# Altium PCB PCB.PcbDoc
Units mm, origin at the board's own origin, x right, y up, seen from the top; angles counter-clockwise.
Board outline 160 x 130 mm, 2 copper layers (Top Layer, Bottom Layer); 86 components, 57 nets, 311 pads, 15 vias.
Unrouted connection lines stored in the file: 53.
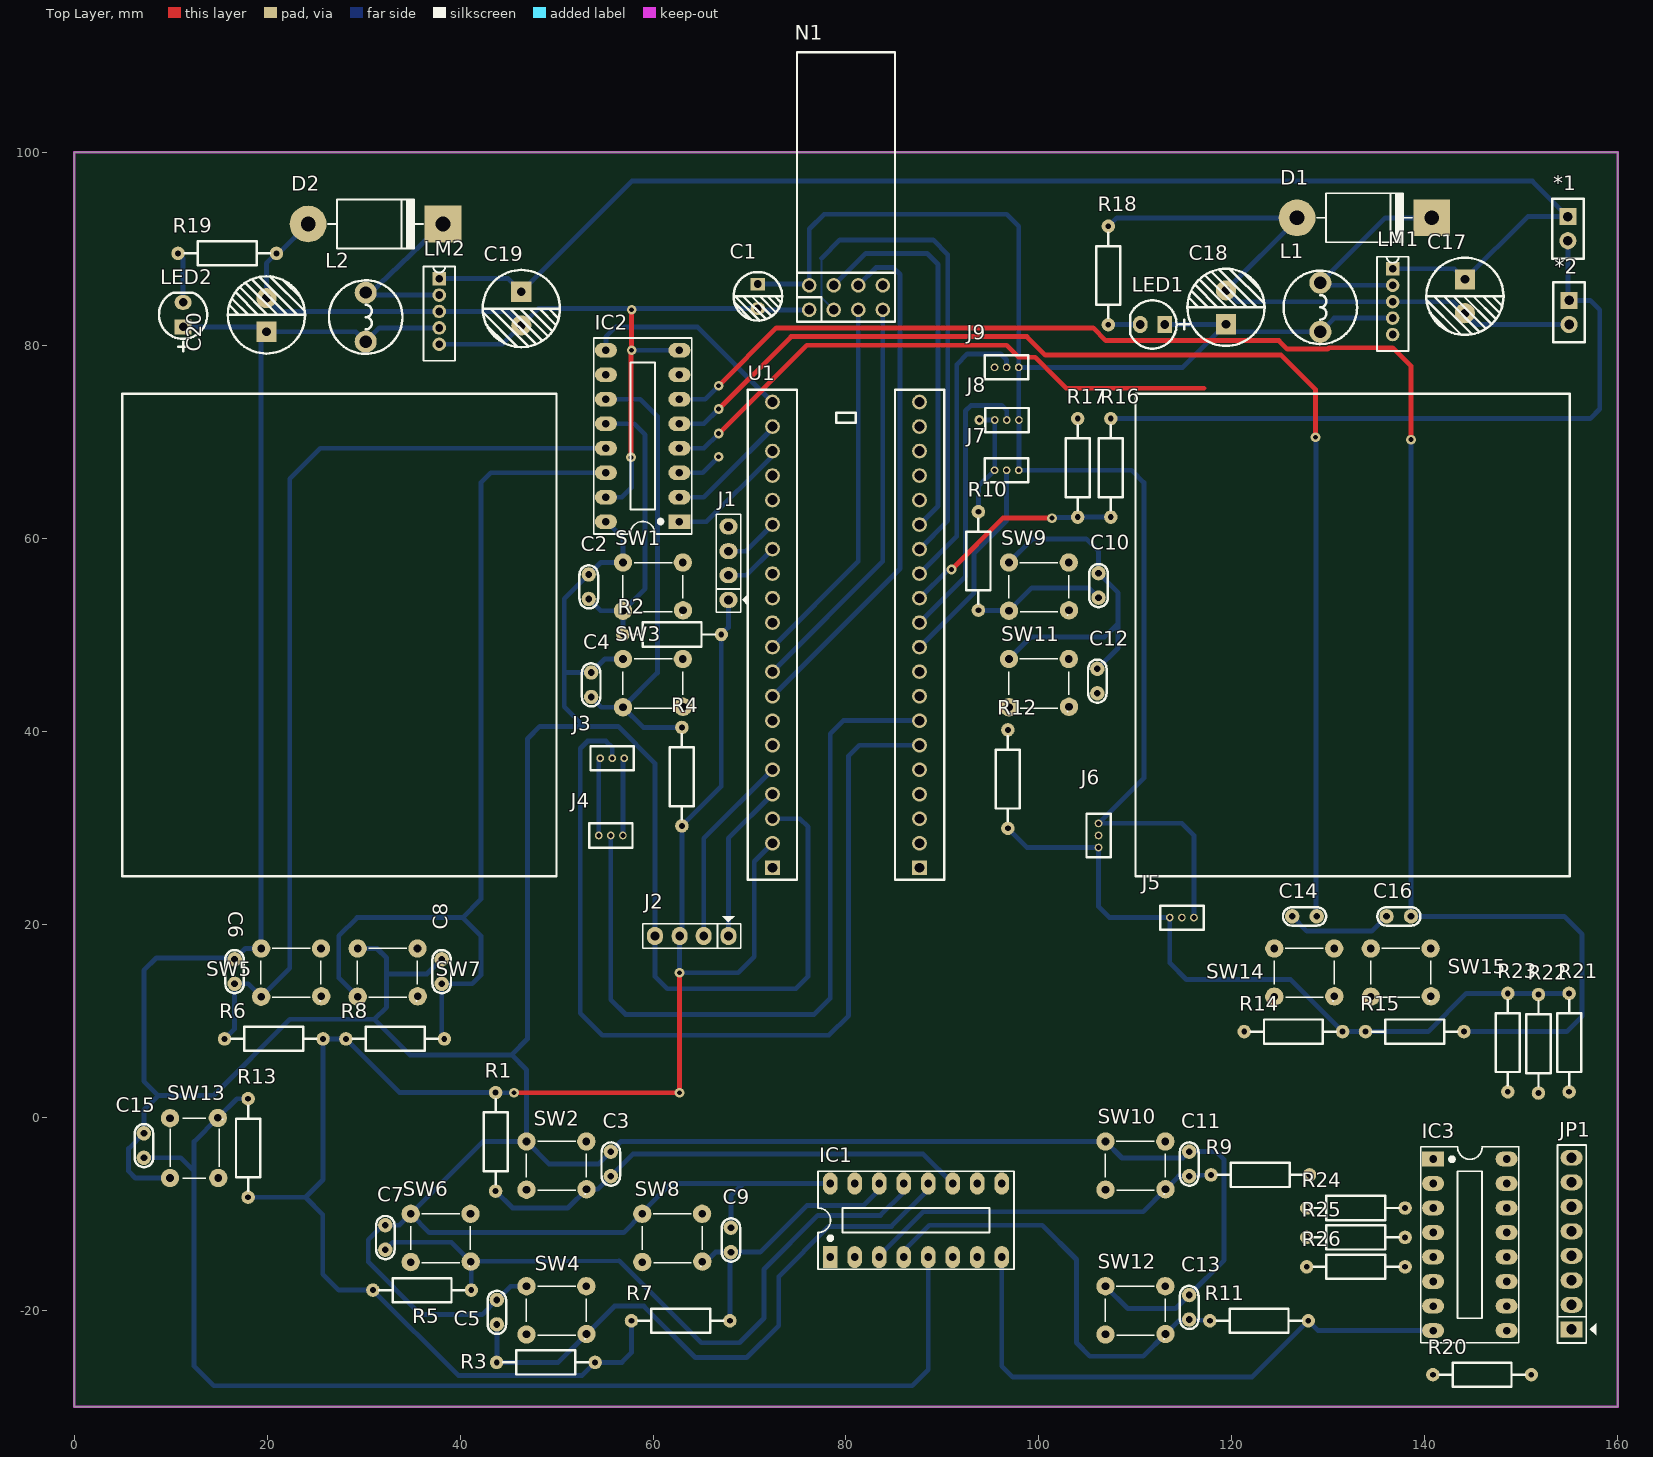
[diagram p0: Top Layer view]
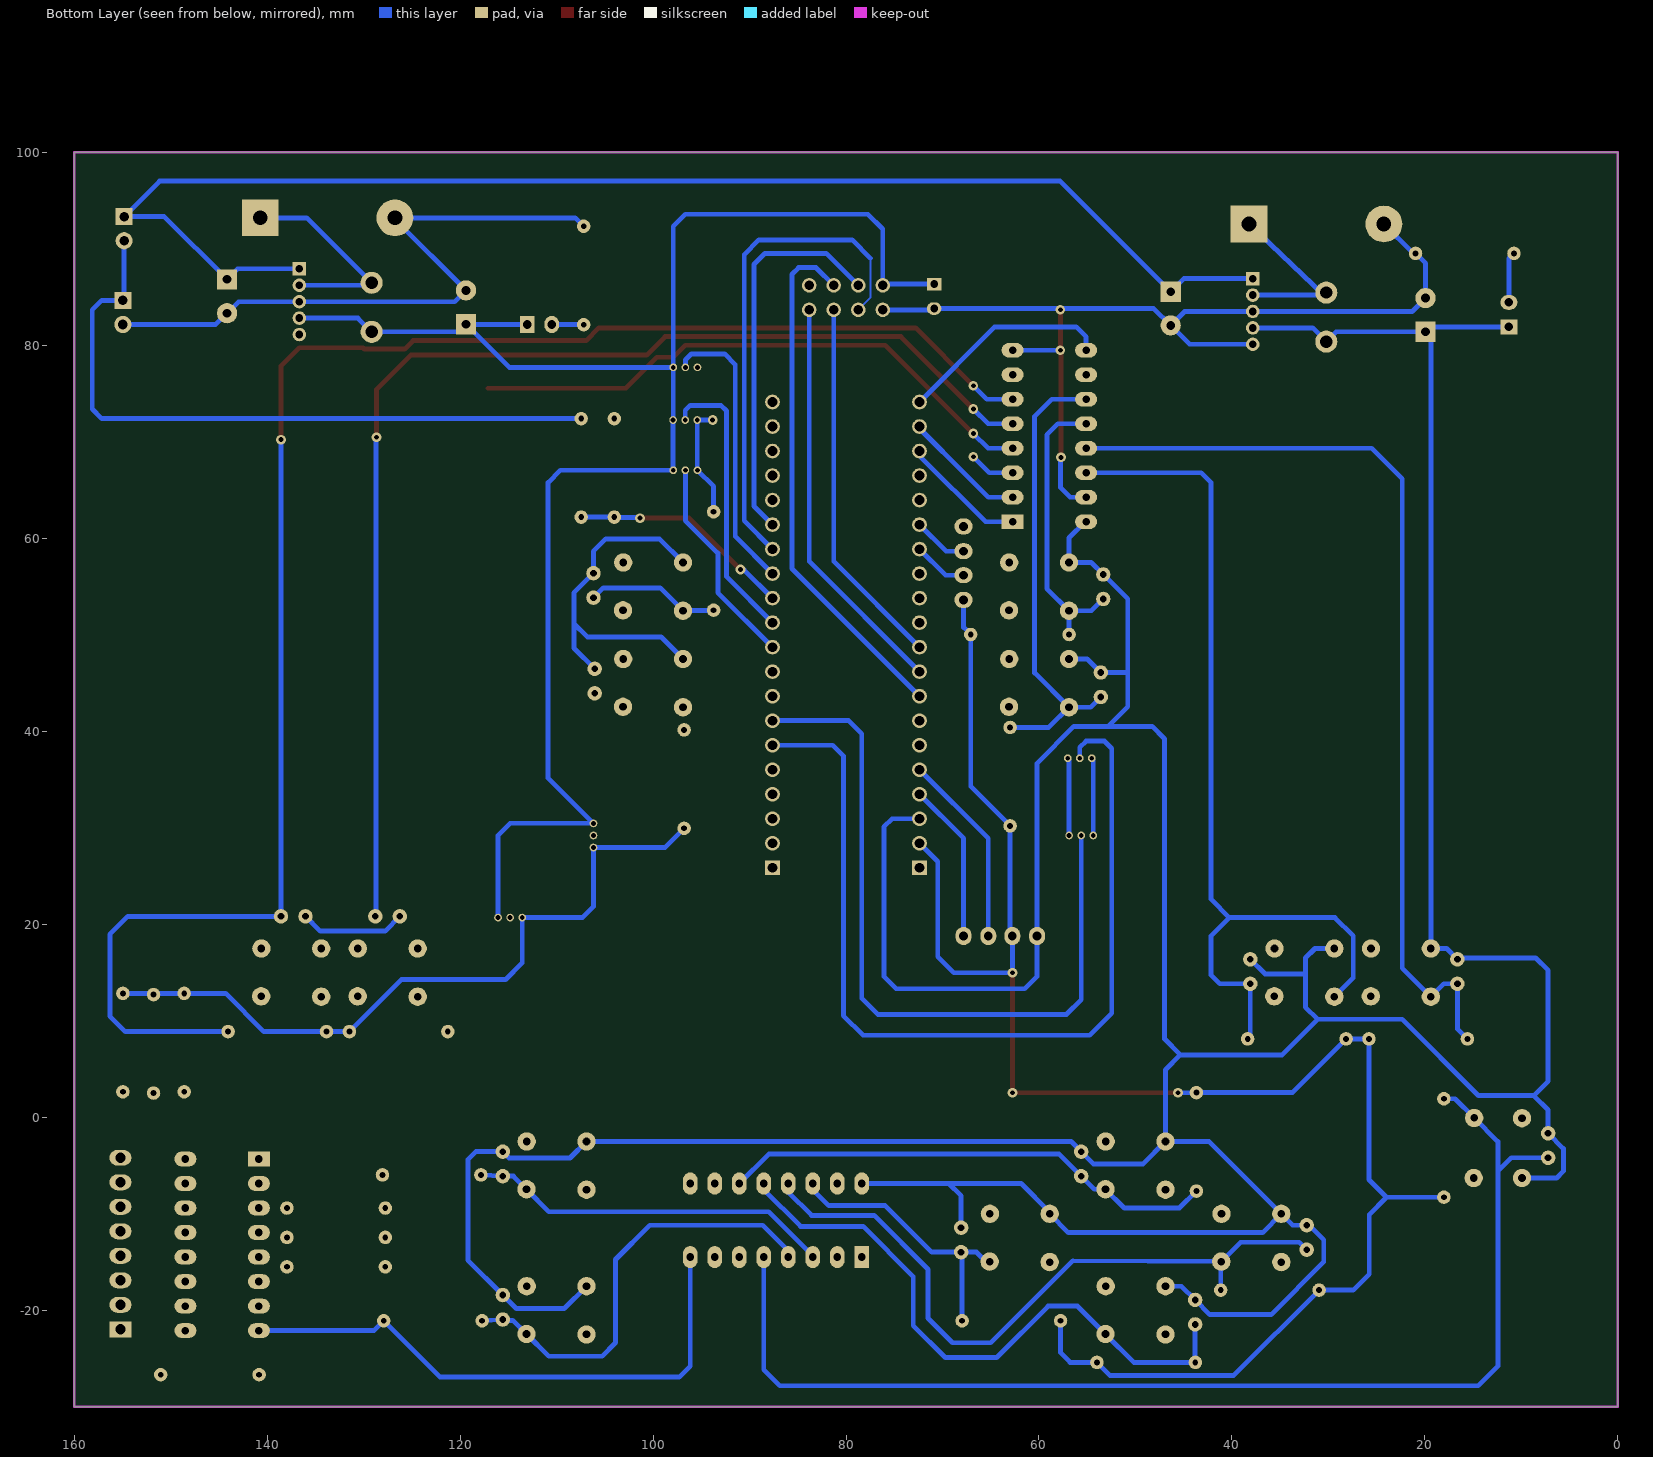
[diagram p1: Bottom Layer view, seen from below]

## Layer stack, top to bottom
Top Solder: solder mask 0.0102, Solder Resist, Dk 3.5
Top Layer: signal copper 0.0356
Dielectric 1: dielectric 0.32, FR-4, Dk 4.8
Bottom Layer: signal copper 0.0356
Bottom Solder: solder mask 0.0102, Solder Resist, Dk 3.5

## Board outline
0,-30 160,-30 160,100 0,100

## Design rules (kind name [scope] priority, off if disabled: settings)
Clearance [All] p1: gap=0.4 ignorepadtopadclearanceinfootprint=FALSE
PlaneConnect [All] p1: planeconnectstyle=Direct reliefexpansion=0.508 reliefentries=4 reliefconductorwidth=0.254 reliefairgap=0.254
PolygonConnect [All] p1: connectstyle=Direct reliefconductorwidth=0.254 reliefentries=4 polygonreliefangle="90 Angle" airgapwidth=0.254
RoutingVias [All] p1: holewidth=0.5 width=1 viastyle="Through Hole" minholewidth=0 minwidth=0.5 maxholewidth=0.5 maxwidth=1
SolderMaskExpansion [All] p1: expansion=0.102 istentingtop=FALSE
Width [All] p1: maxlimit=1 minlimit=0.2 preferedwidth=0.5
29 further rules are at their usual default settings.

## Components (designator, comment, footprint, x,y, rotation, side; value= is the part's Value field where it differs from the comment)
*1 "SW_POWER" "jump don duc_2p" 154.737,91.97 r270 top
*2 "7.4V" "jump don duc_2p" 154.864,83.294 r270 top
C1 "100uF" "tu hoa 5mm" 70.866,85.09 r270 top
C2 "104" "tu gom" 53.34,54.991 r90 top
C3 "104" "tu gom" 55.626,-4.826 r90 top
C4 "104" "tu gom" 53.594,44.831 r90 top
C5 "104" "tu gom" 43.815,-20.193 r90 top
C6 "104" "tu gom" 16.637,15.113 r90 top
C7 "104" "tu gom" 32.258,-12.446 r90 top
C8 "104" "tu gom" 38.1,15.113 r90 top
C9 "104" "tu gom" 68.072,-12.7 r90 top
C10 "104" "tu gom" 106.172,55.118 r90 top
C11 "104" "tu gom" 115.57,-4.826 r90 top
C12 "104" "tu gom" 106.045,45.212 r90 top
C13 "104" "tu gom" 115.57,-19.685 r90 top
C14 "104" "tu gom" 127.508,20.828 r180 top
C15 "104" "tu gom" 7.239,-2.921 r90 top
C16 "104" "tu gom" 137.287,20.828 r180 top
C17 "100uF" "tu hoa 8mm" 144.145,85.09 r270 top
C18 "1000uF" "tu hoa 8mm" 119.38,83.947 r90 top
C19 "100uF" "tu hoa 8mm" 46.355,83.82 r270 top
C20 "1000uF" "tu hoa 8mm" 19.939,83.157 r90 top
D1 "1N5822" D5A 140.716,93.218 r180 top value=1N5408
D2 "1N5822" D5A 38.227,92.583 r180 top value=1N5408
IC1 "74HC165" DIP16/W0.3 78.359,-14.478 r0 top
IC2 "74HC165" DIP16/W0.3 62.738,61.722 r90 top
IC3 "74HC165" DIP16/W0.3 140.843,-4.318 r270 top
J1 "2.54_4P" JP4 67.818,56.159 r90 top value="Jump Đơn Đực 2.54MM 1x40P Thẳng 11MM"
J2 "2.54_4P" JP4 65.278,18.796 r180 top value="Jump Đơn Đực 2.54MM 1x40P Thẳng 11MM"
J3 "1.25_4P" "ZH1.25 3P" 54.523,37.211 r90 top value="Jump Đơn Đực 2.54MM 1x40P Thẳng 11MM"
J4 "1.25_4P" "ZH1.25 3P" 54.376,29.21 r90 top value="Jump Đơn Đực 2.54MM 1x40P Thẳng 11MM"
J5 "1.25_4P" "ZH1.25 3P" 113.558,20.701 r90 top value="Jump Đơn Đực 2.54MM 1x40P Thẳng 11MM"
J6 "1.25_4P" "ZH1.25 3P" 106.172,27.96 r180 top value="Jump Đơn Đực 2.54MM 1x40P Thẳng 11MM"
J7 "1.25_4P" "ZH1.25 3P" 95.397,67.056 r90 top value="Jump Đơn Đực 2.54MM 1x40P Thẳng 11MM"
J8 "1.25_4P" "ZH1.25 3P" 95.417,72.263 r90 top value="Jump Đơn Đực 2.54MM 1x40P Thẳng 11MM"
J9 "1.25_4P" "ZH1.25 3P" 95.397,77.724 r90 top value="Jump Đơn Đực 2.54MM 1x40P Thẳng 11MM"
JP1 "2.54_8P" JP8 155.194,-21.971 r90 top value="Jump Đơn Đực 2.54MM 1x40P Thẳng 11MM"
L1 "220uH" "CUON CAM 100uH3A" 129.159,83.947 r270 top
L2 "220uH" "CUON CAM 100uH3A" 30.226,82.931 r270 top
LED1 "LED 3mm Do" "LED 3mm Do" 111.76,82.169 r180 top
LED2 "LED 3mm Do" "LED 3mm Do" 11.303,83.185 r90 top
LM1 "3.3V" LM2576-5V 136.652,87.935 r0 top
LM2 "5V" LM2576-5V 37.846,86.919 r0 top
N1 "NRF24L01" NRF24L01 80,85 r90 top
R1 "10k" "tro vach 1/4w" 43.688,-2.54 r90 top
R2 "10k" "tro vach 1/4w" 61.976,50.038 r0 top
R3 "10k" "tro vach 1/4w" 48.895,-25.4 r0 top
R4 "10k" "tro vach 1/4w" 62.992,35.306 r90 top
R5 "10k" "tro vach 1/4w" 36.068,-17.907 r180 top
R6 "10k" "tro vach 1/4w" 20.701,8.128 r180 top
R7 "10k" "tro vach 1/4w" 62.865,-21.082 r180 top
R8 "10k" "tro vach 1/4w" 33.274,8.128 r0 top
R9 "10k" "tro vach 1/4w" 122.936,-5.969 r0 top
R10 "10k" "tro vach 1/4w" 93.726,57.658 r270 top
R11 "10k" "tro vach 1/4w" 122.809,-21.082 r0 top
R12 "10k" "tro vach 1/4w" 96.774,35.052 r90 top
R13 "10k" "tro vach 1/4w" 18.034,-3.175 r270 top
R14 "10k" "tro vach 1/4w" 126.365,8.89 r180 top
R15 "10k" "tro vach 1/4w" 138.938,8.89 r0 top
R16 "51k" "tro vach 1/4w" 107.442,67.31 r90 top
R17 "33k" "tro vach 1/4w" 104.013,67.31 r270 top
R18 "33k" "tro vach 1/4w" 107.188,87.249 r90 top
R19 "33k" "tro vach 1/4w" 15.875,89.535 r0 top
R20 "10k" "tro vach 1/4w" 145.923,-26.67 r0 top
R21 "10k" "tro vach 1/4w" 154.94,7.747 r270 top
R22 "10k" "tro vach 1/4w" 151.765,7.62 r270 top
R23 "10k" "tro vach 1/4w" 148.59,7.747 r270 top
R24 "10k" "tro vach 1/4w" 132.842,-9.398 r0 top
R25 "10k" "tro vach 1/4w" 132.842,-12.446 r0 top
R26 "10k" "tro vach 1/4w" 132.842,-15.494 r0 top
SW1 "Nut Nhan 4 Chan" SW4 60,55 r0 top value="Nút Nhấn 4 Chân 6x6x9MM DIP"
SW2 "Nut Nhan 4 Chan" SW4 50,-5 r0 top value="Nút Nhấn 4 Chân 6x6x9MM DIP"
SW3 "Nut Nhan 4 Chan" SW4 60,45 r0 top value="Nút Nhấn 4 Chân 6x6x9MM DIP"
SW4 "Nut Nhan 4 Chan" SW4 50,-20 r0 top value="Nút Nhấn 4 Chân 6x6x9MM DIP"
SW5 "Nut Nhan 4 Chan" SW4 22.5,15 r0 top value="Nút Nhấn 4 Chân 6x6x9MM DIP"
SW6 "Nut Nhan 4 Chan" SW4 38,-12.5 r0 top value="Nút Nhấn 4 Chân 6x6x9MM DIP"
SW7 "Nut Nhan 4 Chan" SW4 32.5,15 r0 top value="Nút Nhấn 4 Chân 6x6x9MM DIP"
SW8 "Nut Nhan 4 Chan" SW4 62,-12.5 r0 top value="Nút Nhấn 4 Chân 6x6x9MM DIP"
SW9 "Nut Nhan 4 Chan" SW4 100,55 r0 top value="Nút Nhấn 4 Chân 6x6x9MM DIP"
SW10 "Nut Nhan 4 Chan" SW4 110,-5 r0 top value="Nút Nhấn 4 Chân 6x6x9MM DIP"
SW11 "Nut Nhan 4 Chan" SW4 100,45 r0 top value="Nút Nhấn 4 Chân 6x6x9MM DIP"
SW12 "Nut Nhan 4 Chan" SW4 110,-20 r0 top value="Nút Nhấn 4 Chân 6x6x9MM DIP"
SW13 "Nut Nhan 4 Chan" SW4 12.446,-3.175 r90 top value="Nút Nhấn 4 Chân 6x6x9MM DIP"
SW14 "Nut Nhan 4 Chan" SW4 127.5,15 r0 top value="Nút Nhấn 4 Chân 6x6x9MM DIP"
SW15 "Nut Nhan 4 Chan" SW4 137.5,15 r0 top value="Nút Nhấn 4 Chân 6x6x9MM DIP"
U1 "STM32F401CCU6" STM32F401CCU6 80,50 r0 top locked

## Footprints (in the part's own frame and the unit in brackets; to place one, negate y for a bottom-side part, rotate by r counter-clockwise, add the part's x,y. Pads: shape width x height; smd on the part's side, far side on the other; paste and mask are expansions set on the pad)
"CUON CAM 100uH3A" [mil] "100uH3A"
  round 90 hole 50: 1(-100,0) 2(100,0)
  silkscreen extent -150,-150 150,150, body extent -171,-175 171,167, height 394
D5A [mil] "Diode 5A, W 200mil, L 550mil"
  round 150 hole 60: 1(550,0)
  rect 150x150 hole 60: 2(0,0)
  silkscreen extent 80,-100 470,100, body extent -52,-106 590,103, height 254
DIP16/W0.3 [mil] "16 PIN, W 300mil, Pin to pin 100mil"
  rect 60x90 hole 31: 1(0,0)
  oval 60x90 hole 31: 2(100,0) 3(200,0) 4(300,0) 5(400,0) 6(500,0) 7(600,0) 8(700,0) 9(700,300) 10(600,300) 11(500,300) 12(400,300) 13(300,300) 14(200,300) 15(100,300) 16(0,300)
  silkscreen extent -50,-50 750,350, body extent -52,-57 752,356, height 299
JP4 [mil] "Jumper 4"
  oval 65x75 hole 36: 1(-100,0) 2(1,0) 3(99,0) 4(200,0)
  silkscreen extent -150,-81 250,50, body extent -148,-48 248,50, height 323
JP8 [mil] "JP8"
  rect 65x90 hole 42: 1(0,0)
  oval 65x90 hole 42: 2(100,0) 3(200,0) 4(300,0) 5(400,0) 6(500,0) 7(600,0) 8(700,0)
  silkscreen extent -56,-100 752,57, body extent -48,-50 748,48, height 323
"jump don duc_2p" [mil]
  rect 70x70 hole 39.37 unplated: 1(-54.15,3)
  round 70 hole 39.37 unplated: 2(44.28,3)
  silkscreen extent -128,-61 117,67
"LED 3mm Do" [mil] "Footprintf LED phi 3"
  rect 60x70 hole 35: 1(-50,0)
  oval 60x70 hole 35: 2(50,0)
  silkscreen extent -150,-98 90,98, body extent -77,-78 60,78, height 205
LM2576-5V [mm]
  rect 1.4x1.4 hole 0.8 unplated: 1(0,0)
  round 1.4 hole 0.8: 2(0,-1.702) 3(0,-3.404) 4(0,-5.106) 5(0,-6.808)
  silkscreen extent -1.63,-8.51 1.64,1.25, body extent -1.86,-8.31 2.46,1.6, height 20.47
NRF24L01 [mm]
  round 1.5 hole 1: 1(-1.32,3.81) 2(1.22,3.81) 3(-1.32,1.27) 4(1.22,1.27) 5(-1.32,-1.27) 6(1.22,-1.27) 7(-1.32,-3.81) 8(1.22,-3.81)
  silkscreen extent -2.54,-5.08 25.4,5.08, body extent -3.07,-9.62 25.93,5.58, height 9.75
STM32F401CCU6 [mil]
  rect 60x60 hole 39.37: 1(300,-950) 47(-300,-950)
  round 60 hole 39.37: 2(300,-850) 3(300,-750) 4(300,-650) 7(300,650) 8(-300,-750) 9(-300,-850) 10(300,-450) 11(300,-350) 12(300,-250) 13(300,-150) 14(300,-50) 15(300,50) 16(300,150) 17(300,250) 18(300,-550) 19(300,350) 21(300,450) 22(300,550) 25(-300,950) 26(-300,850) 27(-300,750) 28(-300,650) 29(-300,550) 30(-300,450) 31(-300,350) 32(-300,250) 33(-300,150) 35(300,850) 36(300,950) 38(-300,50) 39(-300,-50) 40(-300,-150) 41(-300,-250) 42(-300,-350) 43(-300,-450) 45(-300,-550) 46(-300,-650) 48(300,750)
  silkscreen extent -400,-1000 400,1000, body extent -411,-1275 411,1008, height 390
SW4 [mil] "SW button 4pin, 250 x250 mil"
  round 75 hole 31: 1(-122.5,98.43) 2(122.5,-96.57) 3(121.59,98.43) 4(-122.5,-98.42)
  silkscreen extent -123,-117 121,98, body extent -158,-122 153,123, height 276
"tro vach 1/4w" [mm]
  round 1.4 hole 0.6: 1(-5.1,0) 2(5.1,0)
  silkscreen extent -4.39,-1.25 4.42,1.25, body extent -5.38,-1.2 5.38,1.2, height 2.41
"tu gom" [mm] "Tu gom mini"
  round 1.5 hole 0.7: 1(-1.27,0) 2(1.27,0)
  silkscreen extent -2.25,-0.97 2.22,0.97, body extent -2.92,-0.85 2.92,0.85, height 6.12
"tu hoa 5mm" [mm]
  rect 1.3x1.5 hole 0.8: 1(-1.27,0)
  oval 1.3x1.5 hole 0.8: 2(1.27,0)
  silkscreen extent -2.51,-2.51 2.51,2.51, body extent -3.12,-3.18 3.23,3.18, height 14.55
"tu hoa 8mm" [mm]
  rect 2.1x2.1 hole 0.9: 1(-1.75,0)
  round 2.1 hole 0.9: 2(1.75,0)
  silkscreen extent -4,-4 4,4, body extent -4.1,-4.07 4.1,4.13, height 13.81
"ZH1.25 3P" [mm]
  round 0.8 hole 0.5 unplated: 1(0,0)
  round 0.8 hole 0.5: 2(0,-1.25) 3(0,-2.5)
  silkscreen extent -1.25,-3.5 1.25,1, body extent -2.1,-5.75 2.1,3.15, height 4.7

## Part data
*1 *2: library part "jump don duc 2.54_2p"
C1: library part "Tu Hoa 100uF 25V 6x11", "Cắm", Chung_Loai=Cắm, Don_Vi=Con, Ma_Hang=MH001351, So_Chan=2, Ten_Linh_Kien="Tụ Hóa 100uF 25V 6x11MM"
C2 C3 C4 C5 C6 C7 C8 C9 C10 C11 C12 C13 C14 C15 C16: library part "Tu gom 104 50V", "Cắm", Chung_Loai=Cắm, Don_Vi=Con, Ma_Hang=MH004761, So_Chan=2, Ten_Linh_Kien="Tụ gốm 104 100nF 50V"
C17 C19: library part "Tu Hoa 100uF 50V 8x11", "Cắm", Chung_Loai=Cắm, Don_Vi=Con, Ma_Hang=MH006872, So_Chan=2, Ten_Linh_Kien="Tụ Hóa 100uF 50V 8x11MM"
C18 C20: library part "Tu Hoa 1000uF 16V 8x20", "Cắm", Chung_Loai=Cắm, Don_Vi=Con, Ma_Hang=MH008300, So_Chan=2, Ten_Linh_Kien="Tụ Hóa 1000uF 16V 8x20MM"
D1 D2: library part D5A, "Diode 5A"
IC1 IC2 IC3: "8-Bit Parallel In/Serial Out Shift Register"
J1 J2: library part "Jum Don Duc 2.54_4P", "Cắm", Chung_Loai=Cắm, Don_Vi=Con, Ma_Hang=MH000903
J3 J4 J5 J6 J7 J8 J9: library part "ZH1.25 3P", "Cắm", Chung_Loai=Cắm, Don_Vi=Con, Ma_Hang=MH000903
JP1: library part "Jum Don Duc 2.54_8P", "Cắm", Chung_Loai=Cắm, Don_Vi=Con, Ma_Hang=MH000903
L1 L2: library part "CUON CAM 470uH DIP", "Cắm", Chung_Loai=Cắm, Don_Vi=Con, Ma_Hang=MH002232, Ten_Linh_Kien="Cuộn Cảm 470uH 3A 8x10MM"
LED1 LED2 SW1 SW2 SW3 SW4 SW5 SW6 SW7 SW8 SW9 SW10 SW11 SW12 SW13 SW14 SW15: "Cắm", Don_Vi=Con
  LED1 LED2: Chung_Loai=Cắm, Ma_Hang=MH004931, Ten_Linh_Kien="LED 3MM Sáng Đỏ ( SS)"
  SW1 SW2 SW3 SW4 SW5 SW6 SW7 SW8 SW9 SW10 SW11 SW12 SW13 SW14 SW15: Ma_Hang=MH004077
LM1: library part LM2576_3.3V., "Cắm", Chung_Loai=Dán, Don_Vi=Con, Ma_Hang=MH001260, Ten_Linh_Kien="LM2576S-3.3V BUCK 3.3V 3A TO263-5"
LM2: library part LM2576_5V, "Cắm", Chung_Loai=Dán, Don_Vi=Con, Ma_Hang=MH001260, Ten_Linh_Kien="LM2576S-3.3V BUCK 3.3V 3A TO263-5"
R1 R2 R3 R4 R5 R6 R7 R8 R9 R10 R11 R12 R13 R14 R15 R16 R17 R18 R19 R20 R21 R22 R23 R24 R25 R26: library part "Tro Vach 1/4W 5% 10k", "Căm", Chung_Loai=Cắm, Don_Vi=Con, Ma_Hang=MH007354, So_Chan=2, Ten_Linh_Kien="Trở Vạch 1/4w 5% 10K"

## Via types
v1: diameter 1, hole 0.5, Top Layer to Bottom Layer, 15 vias

## Nets (pads, with @x,y where several pads share a name; then routed paths per layer and width w, separated by ;. In a path a pad name is that pad's centre, name@x,y a point inside that pad or via, vN(x,y) a via of type N, cw(c..) or ccw(c..) an arc to the next point about the centre after c; other vN are vias at no path point)
1: IC3.11 JP1.1 R20.2
2: IC3.12 JP1.2 R21.2
3: IC3.13 JP1.3 R22.2
3.3V: C1.1 C18.1 J3.3 J4.3 J5.3 J6.3 J7.3 J8.3 J9.3 JP1.8 L1.2 LED1.1 LM1.4 N1.2 | length 185
  Bottom Layer w0.5: J4.3 56.896,29.23 56.896,37.003 57.023,37.13 J3.3 ; C1.1 76.05,86.36 N1.2 76.19,92.065 77.724,93.599 96.647,93.599 97.897,92.349 J9.3 ; J6.3 J6.3@106.192,30.48 ; LED1.1 C18.1@119.352,82.169 ; J5.3 116.058,29.23 114.808,30.48 J6.3@106.192,30.48 ; LM1.4 130.581,82.829 L1.2 120.17,81.407 C18.1 C18.1@119.352,82.169 ; J9.3 97.897,72.283 J8.3 97.917,67.076 J7.3 109.601,67.056 110.871,65.786 110.871,35.159 J6.3@106.192,30.48 ; J9.3 114.907,77.724 C18.1@119.352,82.169
4: IC3.14 JP1.4 R23.2
5: IC3.3 JP1.5 R24.2
5V: C2.2 C3.2 C4.2 C5.2 C6.2 C7.2 C8.2 C9.2 C10.2 C11.2 C12.2 C13.2 C14.2 C15.2 C16.2 C20.1 IC1.16 IC2.16 IC3.16 J1.4 J2.4 L2.2 LED2.1 LM2.4 SW1.1 SW2.1 SW3.1 SW4.1 SW5.1 SW6.1 SW7.1 SW8.1 SW9.1 SW10.1 SW11.1 SW12.1 SW13.1 SW14.1 SW15.1 U1.8 | length 585.1
  Bottom Layer w0.5: SW13.1 6.35,-6.286 5.652,-5.588 5.652,-3.238 C15.2 7.239,0.762 8.735,2.258 ; LED2.1 19.431,81.915 C20.1 ; SW7.1 31.395,17.5 32.385,16.51 32.385,14.859 ; LM2.4 31.648,81.813 L2.2 29.21,81.407 C20.1 ; C8.2 36.576,14.859 32.385,14.859 ; SW4.1 45.238,-17.5 C5.2 42.291,-20.447 35.941,-20.447 30.48,-14.986 30.48,-12.7 32.004,-11.176 C7.2 33.712,-11.176 SW6.1 ; IC2.16 55.222,61.722 56.888,60.055 SW1.1 54.579,57.5 C2.2 50.8,53.721 50.8,45.974 ; SW3.1 54.993,47.5 C4.2 50.927,46.101 50.8,45.974 ; C9.2 68.072,-8.128 69.342,-6.858 ; U1.8 75.222,30.95 76.073,30.099 76.073,14.605 74.803,13.335 61.468,13.335 60.198,14.605 J2.4 60.198,36.703 56.388,40.513 52.832,40.513 ; IC1.16 69.342,-6.858 ; SW11.1 99.173,49.784 106.807,49.784 108.204,51.181 ; SW9.1 99.333,59.944 104.902,59.944 106.172,58.674 C10.2 108.204,54.356 108.204,51.181 ; C12.2 108.204,48.641 108.204,51.181 ; SW12.1 109.201,-19.812 114.173,-19.812 C13.2 119.186,-14.799 119.186,-4.378 118.364,-3.556 C11.2 114.91,-4.216 108.605,-4.216 SW10.1 56.682,-2.5 C3.2 54.356,-4.826 49.214,-4.826 SW2.1 ; C14.2 127.762,19.304 134.493,19.304 C16.2 ; 8.735,2.258 7.239,3.754 7.239,15.24 8.509,16.51 16.51,16.51 C6.2 17.754,17.5 SW5.1 19.388,80.856 C20.1 ; 8.735,2.258 14.45,2.258 22.352,10.16 31.115,10.16 ; 31.115,10.16 32.385,11.43 32.385,14.859 ; 31.115,10.16 32.879,8.396 34.798,6.477 45.339,6.477 ; SW6.1 42.388,-2.5 SW2.1 ; SW6.1 36.827,-11.938 56.95,-11.938 SW8.1 58.888,-9.819 61.849,-6.858 69.342,-6.858 ; 45.339,6.477 46.99,8.128 46.99,39.243 48.26,40.513 52.832,40.513 ; 45.339,6.477 46.889,4.927 SW2.1 ; 50.8,45.974 50.8,42.545 52.832,40.513
6: IC3.4 JP1.6 R25.2
7: IC3.5 JP1.7 R26.2
B: C5.1 IC1.12 R3.1 SW4.2 | length 64.1
  Bottom Layer w0.5: C5.1 43.815,-25.38 R3.1 50.165,-25.4 SW4.2 56.007,-19.558 59.055,-19.558 64.389,-24.892 69.723,-24.892 73.025,-21.59 73.025,-16.51 78.232,-11.303 84.709,-11.303 88.519,-7.493 IC1.12
BAT: *1.2 *2.1 R16.2 | length 71
  Bottom Layer w0.5: R16.2 153.944,72.41 157.119,72.41 158.115,73.406 158.115,83.693 157.139,84.669 *2.1 ; *2.1@154.813,84.796 *1.2
CH1+: C2.1 IC2.12 R2.1 SW1.4 | length 30.2
  Bottom Layer w0.5: C2.1 54.561,52.5 SW1.4 ; IC2.12 58.039,71.882 59.182,70.739 59.182,54.794 SW1.4 ; R2.1 56.876,52.488 SW1.4
CH1-: C4.1 IC2.11 R4.2 SW3.4 | length 48.4
  Bottom Layer w0.5: C4.1 54.655,42.5 SW3.4 ; IC2.11 58.674,74.422 60.452,72.644 60.452,46.064 SW3.4 ; R4.2 58.983,40.406 SW3.4
CH2+: C6.1 IC2.13 R6.2 SW5.4 | length 98.4
  Bottom Layer w0.5: R6.2 16.637,9.164 C6.1 18.045,13.843 SW5.4 22.352,15.464 22.352,66.167 25.527,69.342 IC2.13
CH2-: C8.1 IC2.14 R8.2 SW7.4 | length 97
  Bottom Layer w0.5: SW7.4 27.432,14.457 27.432,18.796 29.337,20.701 40.259,20.701 ; R8.2 38.374,8.372 38.1,8.646 C8.1 41.275,13.843 42.164,14.732 42.164,18.796 40.259,20.701 ; IC2.14 43.18,66.802 42.164,65.786 42.164,22.606 40.259,20.701
CH3+: C10.1 IC2.3 R10.2 SW9.4 | length 18.6
  Bottom Layer w0.5: IC2.3 65.151,66.802 v1(66.802,68.453) ; R10.2 93.755,52.529 96.86,52.529 SW9.4 99.252,54.864 105.156,54.864 C10.1
CH3-: C12.1 IC2.4 R12.2 SW11.4 | length 60.6
  Top Layer w0.5: v1(66.802,70.866) 75.946,80.01 96.647,80.01 97.883,78.774 99.606,78.774 102.815,75.565 117.094,75.565
  Bottom Layer w0.5: IC2.4 65.278,69.342 v1(66.802,70.866)
CH4+: C14.1 IC2.5 R14.2 SW14.4 | length 126.6
  Top Layer w0.5: v1(66.802,73.406) 74.306,80.91 98.743,80.91 100.659,78.994 125.095,78.994 128.651,75.438 v1(128.651,70.485)
  Bottom Layer w0.5: IC2.5 65.278,71.882 v1(66.802,73.406) ; v1(128.651,70.485) 128.715,70.421 128.715,20.892 C14.1
CH4-: C16.1 IC2.6 R15.2 SW15.4 | length 177.6
  Top Layer w0.5: v1(66.802,75.819) 72.793,81.81 105.618,81.81 106.931,80.497 124.865,80.497 125.748,79.614 129.902,79.614 130.044,79.756 136.652,79.756 138.557,77.851 v1(138.557,70.231)
  Bottom Layer w0.5: IC2.6 65.405,74.422 v1(66.802,75.819) ; v1(138.557,70.231) C16.1 154.432,20.828 156.29,18.97 156.29,10.494 154.686,8.89 R15.2
EXIT: C13.1 IC1.4 R11.1 SW12.2 | length 45.7
  Bottom Layer w0.5: IC1.4 85.979,-13.843 88.646,-11.176 100.33,-11.176 103.886,-14.732 103.886,-23.368 105.283,-24.765 110.799,-24.765 SW12.2 114.535,-21.042 115.483,-21.042 C13.1 R11.1
GND: *2.2 C1.2 C17.2 C18.2 C19.2 C20.2 D1.1 D2.1 IC1.8 IC1.15 IC2.8 IC2.15 IC3.8 IC3.15 J1.1 J2.3 J3.1 J4.1 J5.1 J6.1 J7.1 J8.1 J9.1 LM1.3 LM1.5 LM2.3 LM2.5 N1.1 R1.2 R2.2 R3.2 R4.1 R5.2 R6.1 R7.2 R8.1 R9.2 R10.1 R11.2 R12.1 R13.2 R14.1 R15.1 R17.1 R18.2 R19.2 R20.1 R21.1 R22.1 R23.1 R24.1 R25.1 R26.1 U1.9 | length 511.2
  Top Layer w0.5: v1(45.593,2.54) v1(62.738,2.54) v1(62.738,14.986) ; v1(57.725,68.393) 57.725,79.442 v1(57.785,79.502) v1(57.785,83.693)
  Bottom Layer w0.5: R13.2 23.983,-8.275 ; D2.1 21.209,89.535 R19.2 19.939,88.499 C20.2 21.331,83.515 LM2.3 44.91,83.515 C19.2 ; LM2.5 44.396,80.111 C19.2 ; v1(45.593,2.54) 45.583,2.55 43.698,2.55 R1.2 33.742,2.56 R8.1 R6.1 25.801,-6.457 23.983,-8.275 ; J4.1 54.376,36.983 54.523,37.13 J3.1 ; IC2.15 56.769,64.262 57.785,65.278 57.785,68.334 v1(57.725,68.393) ; R7.2 57.765,-24.404 56.769,-25.4 R3.2 52.645,-26.75 39.811,-26.75 R5.2 27.432,-17.907 25.781,-16.256 25.781,-10.073 23.983,-8.275 ; v1(57.785,79.502) IC2.8 ; J1.1 67.818,50.78 R2.2 67.076,34.29 R4.1 62.992,19.025 62.738,18.771 v1(62.738,14.986) 68.834,14.986 70.485,16.637 70.485,26.515 U1.9 ; N1.1 71.006,83.68 C1.2 48.105,83.82 C19.2 ; R10.1 93.726,65.385 J7.1 95.407,67.066 95.407,72.253 J8.1 v1(93.822,72.263) ; IC1.8 96.139,-25.781 97.282,-26.924 122.067,-26.924 R11.2 128.925,-22.098 IC3.8 ; R12.1 98.766,27.96 J6.1 106.172,21.844 107.315,20.701 J5.1 113.558,16.002 115.285,14.275 126.08,14.275 R14.1 R15.1 140.335,8.89 144.292,12.847 R23.1 151.638,12.847 R22.1 151.881,12.836 154.929,12.836 R21.1 ; R18.2 108.057,93.218 D1.1 126.746,93.063 C18.2 120.546,84.531 LM1.3 142.954,84.531 C17.2 145.316,82.169 *2.2
L: C7.1 IC1.13 R5.1 SW6.2 | length 71.7
  Bottom Layer w0.5: C7.1 33.02,-12.954 39.113,-12.954 SW6.2 ; R5.1 41.168,-15.01 SW6.2 ; IC1.13 85.979,-7.747 83.566,-10.16 77.089,-10.16 71.501,-15.748 71.501,-20.828 68.961,-23.368 64.99,-23.368 56.481,-14.859 SW6.2
Net*1_1: *1.1 C17.1 C19.1 LM1.1 LM2.1 | length 145.1
  Bottom Layer w0.5: LM2.1 45.006,86.919 C19.1 57.813,97.028 151.13,97.028 *1.1 150.65,93.345 C17.1 143.05,87.935 LM1.1
NetD1_2: D1.2 L1.1 LM1.2 | length 21.9
  Bottom Layer w0.5: LM1.2 129.413,86.233 L1.1 135.89,93.218 D1.2
NetD2_2: D2.2 L2.1 LM2.2 | length 18.4
  Bottom Layer w0.5: L2.1 L2.1@30.48,85.217 ; LM2.2 L2.1@30.48,85.217 ; D2.2 L2.1@30.48,85.217
NetLED1_2: LED1.2 R18.1 | length 3.3
  Bottom Layer w0.5: R18.1 107.208,82.169 LED1.2
NetLED2_2: LED2.2 R19.1 | length 5.3
  Bottom Layer w0.5: R19.1 11.303,89.007 LED2.2
OK: C11.1 IC1.3 R9.1 SW10.2 | length 37.9
  Bottom Layer w0.5: IC1.3 83.439,-14.351 88.011,-9.779 110.786,-9.779 SW10.2 114.469,-6.096 C11.1 R9.1
PA0: J3.2 U1.10 | length 96.8
  Bottom Layer w0.5: J3.2 55.773,38.334 55.118,38.989 53.213,38.989 52.451,38.227 52.451,10.795 54.737,8.509 78.232,8.509 80.264,10.541 80.264,37.465 81.369,38.57 U1.10
PA1: J4.2 U1.11 | length 78.3
  Bottom Layer w0.5: J4.2 55.626,12.192 57.15,10.668 76.708,10.668 78.359,12.319 78.359,39.751 79.718,41.11 U1.11
PA2: J5.2 U1.12
PA3: J6.2 U1.13
PA4: J7.2 U1.14 | length 22.1
  Bottom Layer w0.5: U1.14 93.276,54.386 93.276,58.478 96.647,61.849 J7.2
PA5: J8.2 U1.15 | length 29.6
  Bottom Layer w0.5: U1.15 92.376,56.026 92.376,73.199 92.964,73.787 96.139,73.787 96.667,73.259 J8.2
PA6: R16.1 R17.2 U1.16 | length 23.3
  Top Layer w0.5: v1(90.932,56.769) 96.266,62.103 v1(101.346,62.103)
  Bottom Layer w0.5: U1.16 90.579,56.769 v1(90.932,56.769) ; v1(101.346,62.103) 101.399,62.156 103.96,62.156 R17.2 R16.1
PA7: J9.2 U1.17 | length 29.9
  Bottom Layer w0.5: U1.17 91.476,60.206 91.476,78.014 92.583,79.121 96.012,79.121 96.647,78.486 J9.2
PA8: IC3.2 U1.29
PA9: J1.3 U1.30 | length 5.7
  Bottom Layer w0.5: J1.3 69.624,58.674 U1.30
PA10: J1.2 U1.31 | length 5.7
  Bottom Layer w0.5: J1.2 69.675,56.185 U1.31
PA11: IC1.9 U1.32
PA12: IC1.2 U1.33
PA15: IC1.1 U1.38
PB0: N1.3 U1.19 | length 52.1
  Bottom Layer w0.2: 77.47,89.027 77.47,84.94 N1.3
  Bottom Layer w0.5: 77.47,89.027 79.375,90.932 89.027,90.932 90.551,89.408 90.551,61.821 U1.19
PB1: N1.4 U1.21 | length 40.4
  Bottom Layer w0.5: N1.4 82.045,89.535 88.392,89.535 89.535,88.392 89.535,63.345 U1.21
PB3: N1.5 U1.39 | length 38.6
  Bottom Layer w0.5: U1.39 81.27,57.62 N1.5
PB4: N1.7 U1.40 | length 42.2
  Bottom Layer w0.5: U1.40 83.81,57.62 N1.7
PB5: N1.6 U1.41 | length 54.6
  Bottom Layer w0.5: U1.41 85.598,56.868 85.598,87.376 84.916,88.058 83.108,88.058 N1.6
PB6: IC3.9 U1.42
PB8: J2.2 U1.45 | length 20.2
  Bottom Layer w0.5: J2.2 65.253,28.903 U1.45
PB9: J2.1 U1.46 | length 16.6
  Bottom Layer w0.5: J2.1 67.818,28.928 U1.46
PB12: IC2.9 U1.25 | length 22.3
  Bottom Layer w0.5: IC2.9 55.118,80.899 56.134,81.915 64.595,81.915 U1.25
PB13: IC2.2 U1.26 | length 12.8
  Bottom Layer w0.5: IC2.2 65.253,64.262 67.444,66.453 72.38,71.389 U1.26
PB14: IC2.1 U1.27 | length 13
  Bottom Layer w0.5: IC2.1 65.532,61.722 72.184,68.374 72.184,68.854 U1.27
PB15: IC3.1 U1.28
R: C9.1 IC1.14 R7.1 SW8.2 | length 29.2
  Bottom Layer w0.5: SW8.2 65.492,-14.953 66.475,-13.97 C9.1 ; R7.1 67.965,-14.077 C9.1 ; IC1.14 83.439,-7.493 81.788,-9.144 75.946,-9.144 71.12,-13.97 C9.1
SCAN: C15.1 IC1.5 R13.1 SW13.2 | length 125.8
  Bottom Layer w0.5: C15.1 11.049,-4.191 12.446,-5.588 ; R13.1 16.888,1.925 SW13.2 12.446,-2.516 12.446,-5.588 ; IC1.5 88.519,-26.162 86.868,-27.813 14.478,-27.813 12.446,-25.781 12.446,-5.588
T: C3.1 IC1.11 R1.1 SW2.2 | length 51.7
  Bottom Layer w0.5: R1.1 45.446,-9.398 51.166,-9.398 SW2.2 54.269,-7.453 C3.1 57.912,-3.81 88.011,-3.81 IC1.11
pads on no net: IC1.6 IC1.7 IC1.10 IC2.7 IC2.10 IC3.6 IC3.7 IC3.10 N1.8 SW1.2 SW1.3 SW2.3 SW2.4 SW3.2 SW3.3 SW4.3 SW4.4 SW5.2 SW5.3 SW6.3 SW6.4 SW7.2 SW7.3 SW8.3 SW8.4 SW9.2 SW9.3 SW10.3 SW10.4 SW11.2 SW11.3 SW12.3 SW12.4 SW13.3 SW13.4 SW14.2 SW14.3 SW15.2 SW15.3 U1.1 U1.2 U1.3 U1.4 U1.7 U1.18 U1.22 U1.35 U1.36 U1.43 U1.47 U1.48

## Keep-outs
Keep-Out Layer:
  the board outline again, w0.254

## Silkscreen, mask and mechanical layers (free items; w line width, h text height)
Top Overlay:
  lines w0.254: 5,25 50,25 50,75 5,75 5,25 ; 110,25 155,25 155,75 110,75 110,25